# KiCad board open-TWIST_rev0.kicad_pcb (continued)
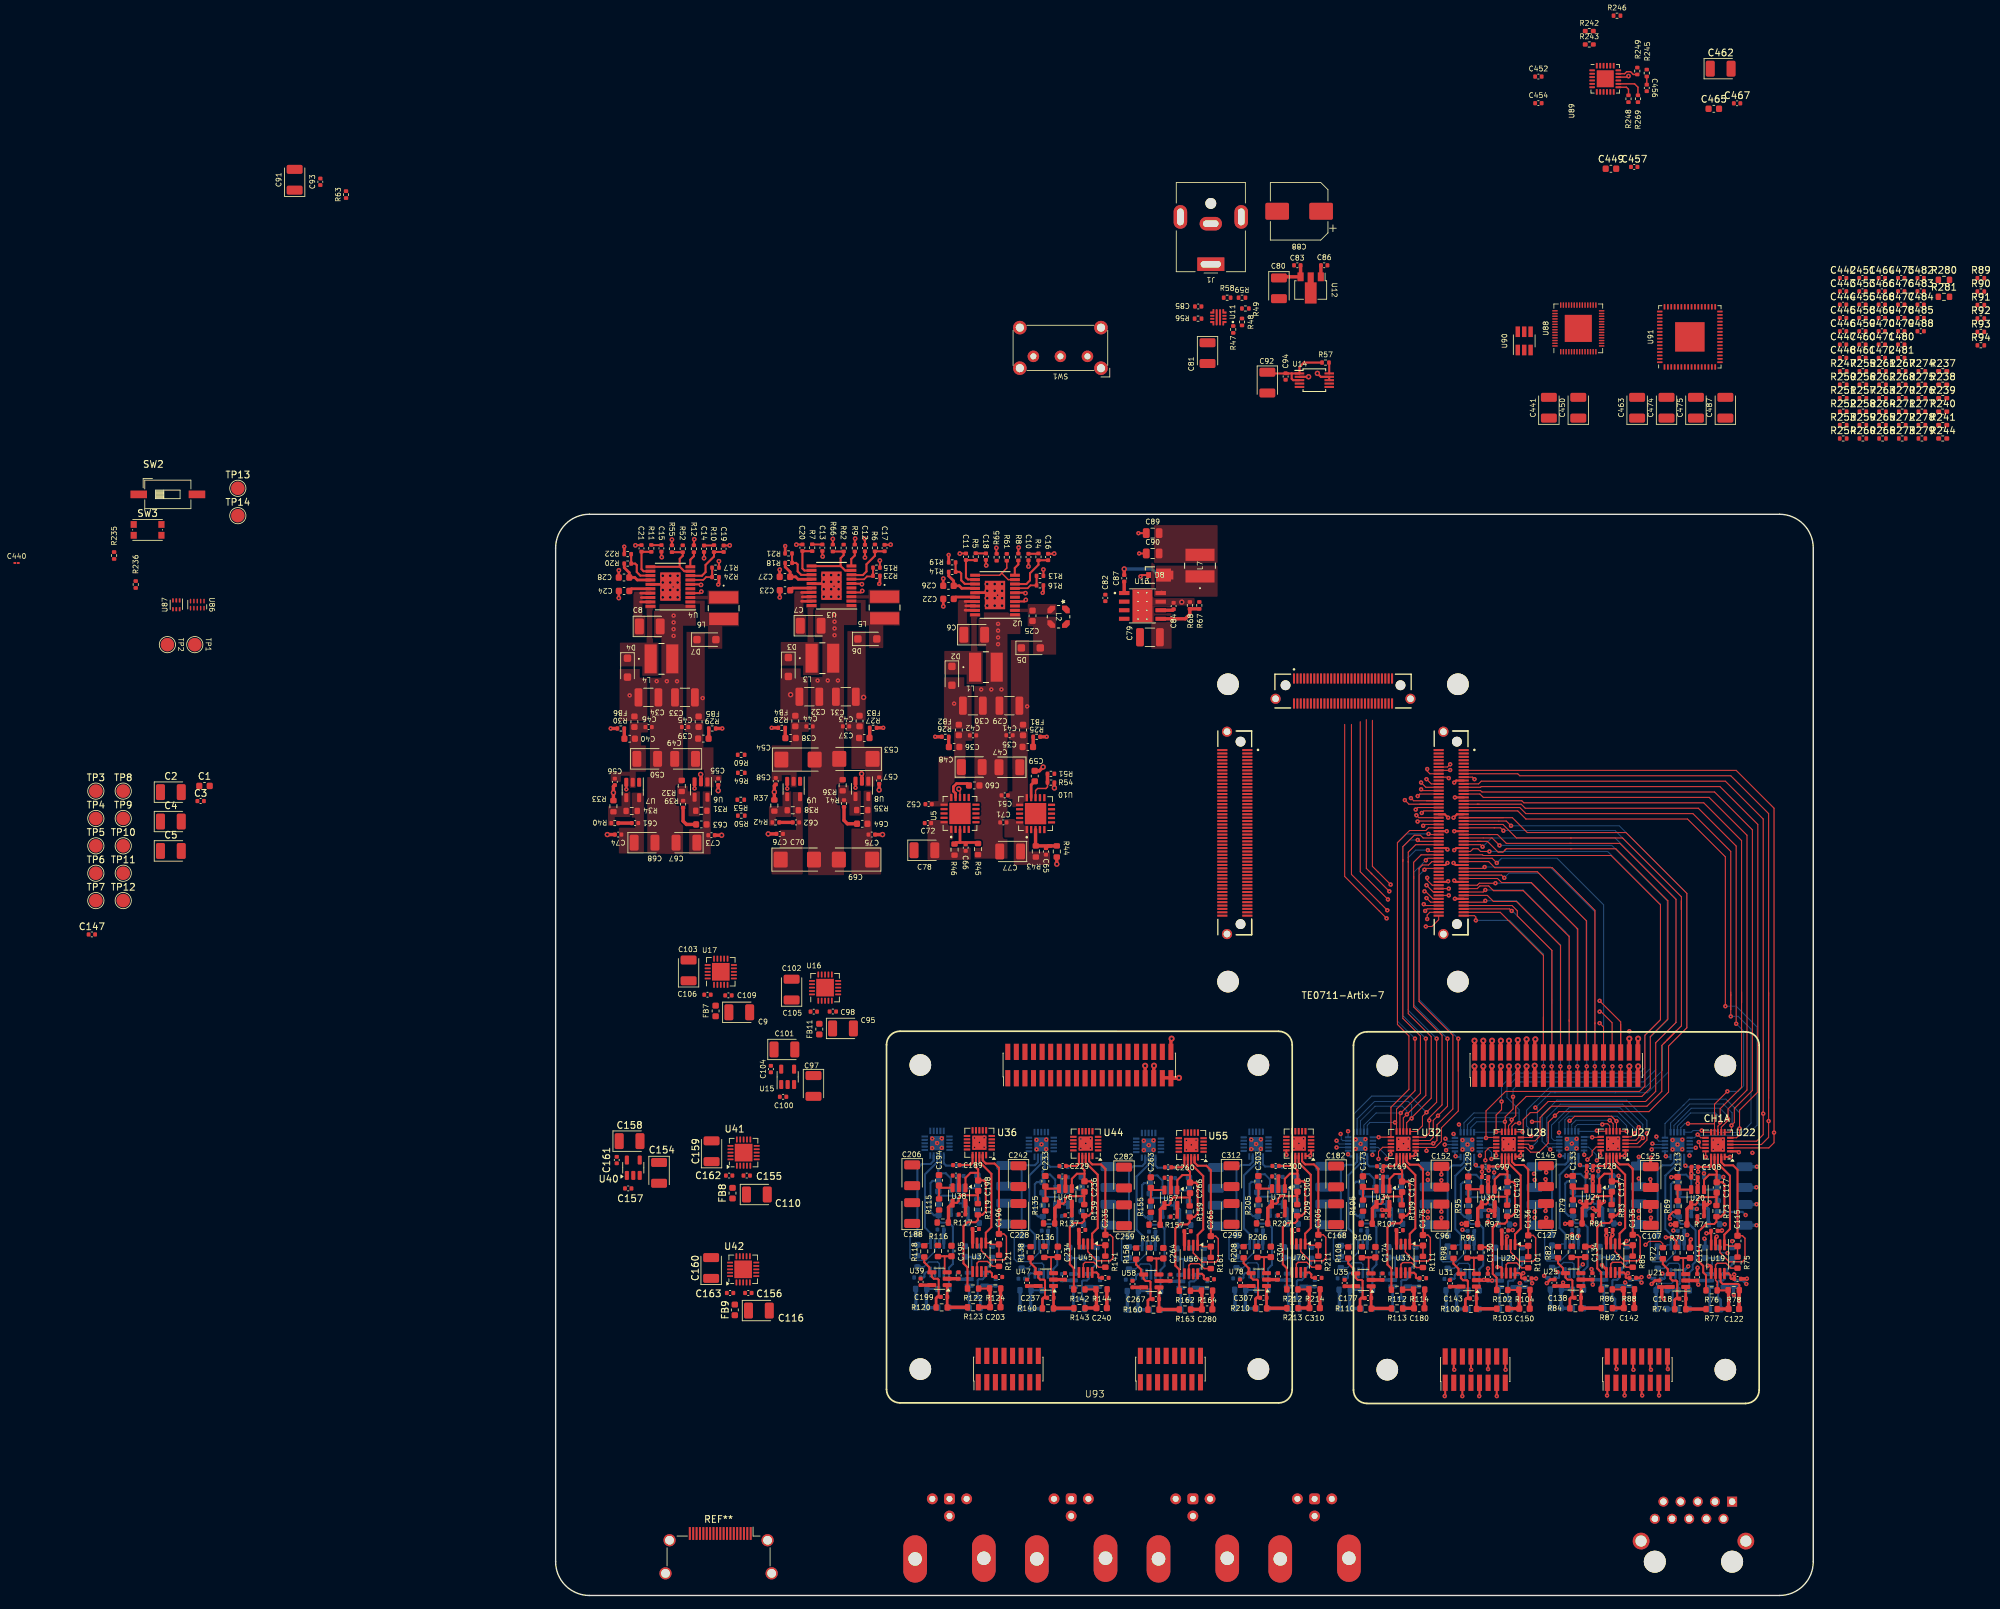
[diagram p0: board, top side]
## Library data of the parts (continued)
U11 = -: Datasheet: https://www.ti.com/lit/ds/symlink/lm7310.pdf?ts=1610624141681&ref_url=https%253A%252F%252Fwww.ti.com%252Fproduct%252FLM7310; Height: 1; Manufacturer_Name: Texas Instruments; Mouser Part Number: 595-LM73100RPWR; Mouser Price/Stock: https://www.mouser.co.uk/ProductDetail/Texas-Instruments/LM73100RPWR?qs=eP2BKZSCXI6N0PCRrD713g%3D%3D
U12 = -: Datasheet: http://www.st.com/content/ccc/resource/technical/document/datasheet/15/55/e5/aa/23/5b/43/fd/CD00000446.pdf/files/CD00000446.pdf/jcr:content/translations/en.CD00000446.pdf; ki_fp_filters: SOT?89*
U13 = -: Description: SIMPLE SWITCHER® 40-V, 5-A, 2.2-MHz step-down converter with 40-μA IQ; Availability: In Stock; Check_prices: https://www.snapeda.com/parts/LMR14050SDDA/Texas+Instruments/view-part/?ref=eda; MF: Texas Instruments; MP: LMR14050SDDA; Package: HSOIC-8 Texas Instruments; Price: None; Purchase-URL: https://www.snapeda.com/api/url_track_click_mouser/?unipart_id=478629&manufacturer=Texas Instruments&part_name=LMR14050SDDA&search_term=lmr14050; SnapEDA_Link: https://www.snapeda.com/parts/LMR14050SDDA/Texas+Instruments/view-part/?ref=snap
U14 = -: Datasheet: https://www.analog.com/media/en/technical-documentation/data-sheets/6902f.pdf; ki_fp_filters: MSOP*3x3mm*P0.5mm*
U87 = -: Datasheet: https://www.st.com/resource/en/datasheet/ecmf02-2amx6.pdf; ki_fp_filters: ST?UQFN*L?1.5x1.7mm*P0.5mm*
U91 = -: Datasheet: https://www.ftdichip.com/Support/Documents/DataSheets/ICs/DS_FT2232H.pdf; ki_fp_filters: QFN*1EP*9x9mm*P0.5mm*

## Footprints (pads in the part's own frame, mm; a bottom-side part is the same pattern mirrored in y, then rotated)
BarrelJack_CUI_PJ-063AH_Horizontal
  round 1.6 hole 1.6 unplated: (0,-9)
  rect 4x2 hole 3x1: 1(0,0)
  oval 3.3x2 hole 2.3x1: 2(0,-6)
  oval 2x3.5 hole 1x2.5: MP(-4.5,-7) MP(4.5,-7)
BEL_SS-641010S-A-NF
  round 3.25 hole 3.25 unplated: (-5.715,0) (5.715,0)
  rect 1.478x1.478 hole 0.97: 1(-5.715,8.89)
  round 1.478 hole 0.97: 2(-4.445,6.35) 3(-3.175,8.89) 4(-1.905,6.35) 5(-0.635,8.89) 6(0.635,6.35) 7(1.905,8.89) 8(3.175,6.35) 9(4.445,8.89) 10(5.715,6.35)
  round 2.475 hole 1.65: S1(-7.745,3.05) S2(7.745,3.05)
BNC_Amphenol_031-6575_Horizontal
  oval 3.5x7 hole 2.01: (-5.08,8.89) (5.08,8.79)
  rrect 1.6x1.6 hole 0.89: 1(0,0)
  round 1.6 hole 0.89: 2(-2.54,0) 3(0,2.54) 4(2.54,0)
C_0402_1005Metric
  rrect 0.56x0.62 smd: 1(-0.48,0) 2(0.48,0)
C_0603_1608Metric
  rrect 0.9x0.95 smd: 1(-0.775,0) 2(0.775,0)
C_0805_2012Metric
  rrect 1x1.45 smd: 1(-0.95,0) 2(0.95,0)
C_01005_0402Metric
  rrect 0.27x0.27 smd: (-0.275,0) (0.275,0)
  rrect 0.4x0.3 smd: 1(-0.25,0) 2(0.25,0)
C_1210_3225Metric
  rrect 1.15x2.7 smd: 1(-1.475,0) 2(1.475,0)
CP_EIA-3528-21_Kemet-B
  rrect 1.325x2.35 smd: 1(-1.538,0) 2(1.538,0)
CP_EIA-6032-28_Kemet-C
  rrect 2.075x2.35 smd: 1(-2.462,0) 2(2.462,0)
CP_Elec_8x10
  rrect 3.5x2.5 smd: 1(-3.25,0) 2(3.25,0)
D_SOD-123F
  rrect 1.1x1.1 smd: 1(-1.4,0) 2(1.4,0)
DAUGHTER_BOARD
  round 3.2 hole 3.2 unplated: (5,50) (5,5) (55,50) (55,5)
  rect 0.74x2.4 smd: 1(17.93,48.045) 2(17.93,51.945) 3(19.2,48.045) 4(19.2,51.945) 5(20.47,48.045) 6(20.47,51.945) 7(21.74,48.045) 8(21.74,51.945) 9(23.01,48.045) 10(23.01,51.945) 11(24.28,48.045) 12(24.28,51.945) 13(25.55,48.045) 14(25.55,51.945) 15(26.82,48.045) 16(26.82,51.945) 17(28.09,48.045) 18(28.09,51.945) 19(29.36,48.045) 20(29.36,51.945) 21(30.63,48.045) 22(30.63,51.945) 23(31.9,48.045) 24(31.9,51.945) 25(33.17,48.045) 26(33.17,51.945) 27(34.44,48.045) 28(34.44,51.945) 29(35.71,48.045) 30(35.71,51.945) 31(36.98,48.045) 32(36.98,51.945) 33(38.25,48.045) 34(38.25,51.945) 35(39.52,48.045) 36(39.52,51.945) 37(40.79,48.045) 38(40.79,51.945) 39(42.06,48.045) 40(42.06,51.945) 41(37.545,3.053) 42(37.545,6.952) 43(38.815,3.053) 44(38.815,6.952) 45(40.085,3.053) 46(40.085,6.952) 47(41.355,3.053) 48(41.355,6.952) 49(42.625,3.053) 50(42.625,6.952) 51(43.895,3.053) 52(43.895,6.952) 53(45.165,3.053) 54(45.165,6.952) 55(46.435,3.053) 56(46.435,6.952) 57(13.563,3.055) 58(13.563,6.955) 59(14.833,3.055) 60(14.833,6.955) 61(16.103,3.055) 62(16.103,6.955) 63(17.373,3.055) 64(17.373,6.955) 65(18.643,3.055) 66(18.643,6.955) 67(19.913,3.055) 68(19.913,6.955) 69(21.183,3.055) 70(21.183,6.955) 71(22.453,3.055) 72(22.453,6.955)
ETSSOP-20-1EP_4.4x6.5mm_P0.65mm_EP3x4.2mm
  rect 1.2x1.14 smd: (-0.75,1.4) (-0.75,0) (-0.75,-1.4) (0.75,1.4) (0.75,0) (0.75,-1.4)
  rect 1.45x0.45 smd: 1(-2.95,2.925) 2(-2.95,2.275) 3(-2.95,1.625) 4(-2.95,0.975) 5(-2.95,0.325) 6(-2.95,-0.325) 7(-2.95,-0.975) 8(-2.95,-1.625) 9(-2.95,-2.275) 10(-2.95,-2.925) 11(2.95,-2.925) 12(2.95,-2.275) 13(2.95,-1.625) 14(2.95,-0.975) 15(2.95,-0.325) 16(2.95,0.325) 17(2.95,0.975) 18(2.95,1.625) 19(2.95,2.275) 20(2.95,2.925)
  rect 3x4.2 smd: 21(0,0)
HDMI_A_Amphenol_10029449-x01xLF_Horizontal
  rect 0.3x1.9 smd: 1(4.75,5) 2(4.25,5) 3(3.75,5) 4(3.25,5) 5(2.75,5) 6(2.25,5) 7(1.75,5) 8(1.25,5) 9(0.75,5) 10(0.25,5) 11(-0.25,5) 12(-0.75,5) 13(-1.25,5) 14(-1.75,5) 15(-2.25,5) 16(-2.75,5) 17(-3.25,5) 18(-3.75,5) 19(-4.25,5)
  round 1.8 hole 1.3: SH(-7.85,-0.9) SH(-7.25,4) SH(7.25,4) SH(7.85,-0.9)
IC_LM73100RPWR
  custom 0.61x0.66 smd: 1(-0.9,0.7) 4(-0.9,-0.7) 7(0.9,-0.7) 10(0.9,0.7)
  rrect 0.6x0.25 smd: 2(-0.9,0.225) 3(-0.9,-0.225) 8(0.9,-0.225) 9(0.9,0.225)
  rrect 0.3x2.4 smd: 5(-0.25,0) 6(0.25,0)
IND_WE-MAPI_4020_WRE
  rect 1.803x4.293 smd: 1(-1.6,0) 2(1.6,0)
L_0603_1608Metric
  rrect 0.875x0.95 smd: 1(-0.787,0) 2(0.787,0)
LFCSP-20-1EP_4x4mm_P0.5mm_EP2.1x2.1mm
  rect 0.86x0.86 smd: (-0.525,0.525) (-0.525,-0.525) (0.525,0.525) (0.525,-0.525)
  rect 0.95x0.3 smd: 1(-1.83,1) 2(-1.83,0.5) 3(-1.83,0) 4(-1.83,-0.5) 5(-1.83,-1) 11(1.83,-1) 12(1.83,-0.5) 13(1.83,0) 14(1.83,0.5) 15(1.83,1)
  rect 0.3x0.95 smd: 6(-1,-1.83) 7(-0.5,-1.83) 8(0,-1.83) 9(0.5,-1.83) 10(1,-1.83) 16(1,1.83) 17(0.5,1.83) 18(0,1.83) 19(-0.5,1.83) 20(-1,1.83)
  rect 2.1x2.1 smd: 21(0,0)
LFCSP-20-1EP_4x4mm_P0.5mm_EP2.6x2.6mm
  rrect 1.05x1.05 smd: (-0.65,0.65) (-0.65,-0.65) (0.65,0.65) (0.65,-0.65)
  rrect 0.875x0.25 smd: 1(-1.938,1) 2(-1.938,0.5) 3(-1.938,0) 4(-1.938,-0.5) 5(-1.938,-1) 11(1.938,-1) 12(1.938,-0.5) 13(1.938,0) 14(1.938,0.5) 15(1.938,1)
  rrect 0.25x0.875 smd: 6(-1,-1.938) 7(-0.5,-1.938) 8(0,-1.938) 9(0.5,-1.938) 10(1,-1.938) 16(1,1.938) 17(0.5,1.938) 18(0,1.938) 19(-0.5,1.938) 20(-1,1.938)
  rect 2.6x2.6 smd: 21(0,0)
LMR14050SDDAQ1
  rrect 1.55x0.6 smd: 1(-2.7,1.905) 2(-2.7,0.635) 3(-2.7,-0.635) 4(-2.7,-1.905) 5(2.7,-1.905) 6(2.7,-0.635) 7(2.7,0.635) 8(2.7,1.905)
  rect 2.95x4.9 smd: 9(0,0)
  round 0.3 hole 0.2: 10(-0.65,1.95) 11(0.65,1.95) 12(-0.65,0.65) 13(0.65,0.65) 14(-0.65,-0.65) 15(0.65,-0.65) 16(-0.65,-1.95) 17(0.65,-1.95)
LPD3015-222
  custom 0.88x1.616 smd rot 135: 1(-1.08,1.08) 3(1.08,-1.06)
  custom 0.88x1.616 smd rot 45: 2(-1.1,-1.08) 4(1.092,1.092)
  rect 0.025x0.025 smd: 4(1.079,1.079)
MSOP-8_3x3mm_P0.65mm
  rrect 1.625x0.4 smd: 1(-2.112,0.975) 2(-2.112,0.325) 3(-2.112,-0.325) 4(-2.112,-0.975) 5(2.112,-0.975) 6(2.112,-0.325) 7(2.112,0.325) 8(2.112,0.975)
MSOP-10_3x3mm_P0.5mm
  rect 1.4x0.3 smd: 1(-2.2,1) 2(-2.2,0.5) 3(-2.2,0) 4(-2.2,-0.5) 5(-2.2,-1) 6(2.2,-1) 7(2.2,-0.5) 8(2.2,0) 9(2.2,0.5) 10(2.2,1)
QFN-56-1EP_7x7mm_P0.4mm_EP4x4mm
  rrect 1.07x1.07 smd: (-1.33,1.33) (-1.33,0) (-1.33,-1.33) (0,1.33) (0,0) (0,-1.33) (1.33,1.33) (1.33,0) (1.33,-1.33)
  rrect 0.8x0.2 smd: 1(-3.45,2.6) 2(-3.45,2.2) 3(-3.45,1.8) 4(-3.45,1.4) 5(-3.45,1) 6(-3.45,0.6) 7(-3.45,0.2) 8(-3.45,-0.2) 9(-3.45,-0.6) 10(-3.45,-1) 11(-3.45,-1.4) 12(-3.45,-1.8) 13(-3.45,-2.2) 14(-3.45,-2.6) 29(3.45,-2.6) 30(3.45,-2.2) 31(3.45,-1.8) 32(3.45,-1.4) 33(3.45,-1) 34(3.45,-0.6) 35(3.45,-0.2) 36(3.45,0.2) 37(3.45,0.6) 38(3.45,1) 39(3.45,1.4) 40(3.45,1.8) 41(3.45,2.2) 42(3.45,2.6)
  rrect 0.2x0.8 smd: 15(-2.6,-3.45) 16(-2.2,-3.45) 17(-1.8,-3.45) 18(-1.4,-3.45) 19(-1,-3.45) 20(-0.6,-3.45) 21(-0.2,-3.45) 22(0.2,-3.45) 23(0.6,-3.45) 24(1,-3.45) 25(1.4,-3.45) 26(1.8,-3.45) 27(2.2,-3.45) 28(2.6,-3.45) 43(2.6,3.45) 44(2.2,3.45) 45(1.8,3.45) 46(1.4,3.45) 47(1,3.45) 48(0.6,3.45) 49(0.2,3.45) 50(-0.2,3.45) 51(-0.6,3.45) 52(-1,3.45) 53(-1.4,3.45) 54(-1.8,3.45) 55(-2.2,3.45) 56(-2.6,3.45)
  rect 4x4 smd: 57(0,0)
QFN-64-1EP_9x9mm_P0.5mm_EP4.35x4.35mm
  rrect 1.17x1.17 smd: (-1.45,1.45) (-1.45,0) (-1.45,-1.45) (0,1.45) (0,0) (0,-1.45) (1.45,1.45) (1.45,0) (1.45,-1.45)
  rrect 0.8x0.25 smd: 1(-4.45,3.75) 2(-4.45,3.25) 3(-4.45,2.75) 4(-4.45,2.25) 5(-4.45,1.75) 6(-4.45,1.25) 7(-4.45,0.75) 8(-4.45,0.25) 9(-4.45,-0.25) 10(-4.45,-0.75) 11(-4.45,-1.25) 12(-4.45,-1.75) 13(-4.45,-2.25) 14(-4.45,-2.75) 15(-4.45,-3.25) 16(-4.45,-3.75) 33(4.45,-3.75) 34(4.45,-3.25) 35(4.45,-2.75) 36(4.45,-2.25) 37(4.45,-1.75) 38(4.45,-1.25) 39(4.45,-0.75) 40(4.45,-0.25) 41(4.45,0.25) 42(4.45,0.75) 43(4.45,1.25) 44(4.45,1.75) 45(4.45,2.25) 46(4.45,2.75) 47(4.45,3.25) 48(4.45,3.75)
  rrect 0.25x0.8 smd: 17(-3.75,-4.45) 18(-3.25,-4.45) 19(-2.75,-4.45) 20(-2.25,-4.45) 21(-1.75,-4.45) 22(-1.25,-4.45) 23(-0.75,-4.45) 24(-0.25,-4.45) 25(0.25,-4.45) 26(0.75,-4.45) 27(1.25,-4.45) 28(1.75,-4.45) 29(2.25,-4.45) 30(2.75,-4.45) 31(3.25,-4.45) 32(3.75,-4.45) 49(3.75,4.45) 50(3.25,4.45) 51(2.75,4.45) 52(2.25,4.45) 53(1.75,4.45) 54(1.25,4.45) 55(0.75,4.45) 56(0.25,4.45) 57(-0.25,4.45) 58(-0.75,4.45) 59(-1.25,4.45) 60(-1.75,4.45) 61(-2.25,4.45) 62(-2.75,4.45) 63(-3.25,4.45) 64(-3.75,4.45)
  rect 4.35x4.35 smd: 65(0,0)
R_0402_1005Metric
  rrect 0.54x0.64 smd: 1(-0.51,0) 2(0.51,0)
R_0402_1005Metric_Pad0.72x0.64mm_HandSolder
  rrect 0.715x0.64 smd: 1(-0.598,0) 2(0.598,0)
R_0603_1608Metric
  rrect 0.8x0.95 smd: 1(-0.825,0) 2(0.825,0)
SOT-23-5
  rrect 1.325x0.6 smd: 1(-1.137,0.95) 2(-1.137,0) 3(-1.137,-0.95) 4(1.137,-0.95) 5(1.137,0.95)
SOT-23-6_Handsoldering
  rect 1.56x0.65 smd: 1(-1.35,0.95) 2(-1.35,0) 3(-1.35,-0.95) 4(1.35,-0.95) 5(1.35,0) 6(1.35,0.95)
SOT-89-3
  rect 1.3x0.9 smd: 1(-1.95,1.5) 3(-1.95,-1.5)
  custom 4.6x1.733 smd: 2(-1.863,0)
SQFN-24
  rrect 1.05x1.05 smd: (0.15,5.75) (0.15,4.45) (1.45,5.75) (1.45,4.45)
  rrect 0.825x0.28 smd: 1(-1.137,6.35) 2(-1.137,5.85) 3(-1.137,5.35) 4(-1.137,4.85) 5(-1.137,4.35) 6(-1.137,3.85) 13(2.737,3.85) 14(2.737,4.35) 15(2.737,4.85) 16(2.737,5.35) 17(2.737,5.85) 18(2.737,6.35)
  rrect 0.28x0.825 smd: 7(-0.45,3.163) 8(0.05,3.163) 9(0.55,3.163) 10(1.05,3.163) 11(1.55,3.163) 12(2.05,3.163) 19(2.05,7.037) 20(1.55,7.037) 21(1.05,7.037) 22(0.55,7.037) 23(0.05,7.037) 24(-0.45,7.037)
  rect 2.5x2.5 smd: 25(0.8,5.1)
ST_UQFN-6L_1.5x1.7mm_P0.5mm
  rect 0.6x0.25 smd: 1(-0.65,0.5) 2(-0.65,0) 3(-0.65,-0.5) 4(0.65,-0.5) 5(0.65,0) 6(0.65,0.5)
SW_DIP_SPSTx01_Slide_6.7x4.1mm_W8.61mm_P2.54mm_LowProfile
  rect 2.44x1.12 smd: 1(-4.305,0) 2(4.305,0)
SW_E-Switch_EG1224_SPDT_Angled
  round 2 hole 1.2: (-2,1.75) (-2,-4.25) (10,1.75) (10,-4.25)
  round 1.7 hole 0.9: 1(0,0) 2(4,0) 3(8,0)
SW_Push_1P1T_NO_CK_KMR2
  rect 0.9x1 smd: 1(-2.05,0.8) 1(2.05,0.8) 2(-2.05,-0.8) 2(2.05,-0.8)
TE0711-Artix-7
  round 3.2 hole 3.2 unplated: (-1.12,36.58) (-1.12,-7.42) (32.88,36.58) (32.88,-7.42)
  round 1.45 hole 1.45 unplated: (0.73,28.085) (0.73,1.085) (7.385,36.43) (24.385,36.43) (32.73,28.085) (32.73,1.085)
  rect 1.5x0.3 smd: 1(1.73,26.835) 2(-1.97,26.835) 3(1.73,26.335) 4(-1.97,26.335) 5(1.73,25.835) 6(-1.97,25.835) 7(1.73,25.335) 8(-1.97,25.335) 9(1.73,24.835) 10(-1.97,24.835) 11(1.73,24.335) 12(-1.97,24.335) 13(1.73,23.835) 14(-1.97,23.835) 15(1.73,23.335) 16(-1.97,23.335) 17(1.73,22.835) 18(-1.97,22.835) 19(1.73,22.335) 20(-1.97,22.335) 21(1.73,21.835) 22(-1.97,21.835) 23(1.73,21.335) 24(-1.97,21.335) 25(1.73,20.835) 26(-1.97,20.835) 27(1.73,20.335) 28(-1.97,20.335) 29(1.73,19.835) 30(-1.97,19.835) 31(1.73,19.335) 32(-1.97,19.335) 33(1.73,18.835) 34(-1.97,18.835) 35(1.73,18.335) 36(-1.97,18.335) 37(1.73,17.835) 38(-1.97,17.835) 39(1.73,17.335) 40(-1.97,17.335) 41(1.73,16.835) 42(-1.97,16.835) 43(1.73,16.335) 44(-1.97,16.335) 45(1.73,15.835) 46(-1.97,15.835) 47(1.73,15.335) 48(-1.97,15.335) 49(1.73,14.835) 50(-1.97,14.835) 51(1.73,14.335) 52(-1.97,14.335) 53(1.73,13.835) 54(-1.97,13.835) 55(1.73,13.335) 56(-1.97,13.335) 57(1.73,12.835) 58(-1.97,12.835) 59(1.73,12.335) 60(-1.97,12.335) 61(1.73,11.835) 62(-1.97,11.835) 63(1.73,11.335) 64(-1.97,11.335) 65(1.73,10.835) 66(-1.97,10.835) 67(1.73,10.335) 68(-1.97,10.335) 69(1.73,9.835) 70(-1.97,9.835) 71(1.73,9.335) 72(-1.97,9.335) 73(1.73,8.835) 74(-1.97,8.835) 75(1.73,8.335) 76(-1.97,8.335) 77(1.73,7.835) 78(-1.97,7.835) 79(1.73,7.335) 80(-1.97,7.335) 81(1.73,6.835) 82(-1.97,6.835) 83(1.73,6.335) 84(-1.97,6.335) 85(1.73,5.835) 86(-1.97,5.835) 87(1.73,5.335) 88(-1.97,5.335) 89(1.73,4.835) 90(-1.97,4.835) 91(1.73,4.335) 92(-1.97,4.335) 93(1.73,3.835) 94(-1.97,3.835) 95(1.73,3.335) 96(-1.97,3.335) 97(1.73,2.835) 98(-1.97,2.835) 99(1.73,2.335) 100(-1.97,2.335) 101(33.73,26.835) 102(30.03,26.835) 103(33.73,26.335) 104(30.03,26.335) 105(33.73,25.835) 106(30.03,25.835) 107(33.73,25.335) 108(30.03,25.335) 109(33.73,24.835) 110(30.03,24.835) 111(33.73,24.335) 112(30.03,24.335) 113(33.73,23.835) 114(30.03,23.835) 115(33.73,23.335) 116(30.03,23.335) 117(33.73,22.835) 118(30.03,22.835) 119(33.73,22.335) 120(30.03,22.335) 121(33.73,21.835) 122(30.03,21.835) 123(33.73,21.335) 124(30.03,21.335) 125(33.73,20.835) 126(30.03,20.835) 127(33.73,20.335) 128(30.03,20.335) 129(33.73,19.835) 130(30.03,19.835) 131(33.73,19.335) 132(30.03,19.335) 133(33.73,18.835) 134(30.03,18.835) 135(33.73,18.335) 136(30.03,18.335) 137(33.73,17.835) 138(30.03,17.835) 139(33.73,17.335) 140(30.03,17.335) 141(33.73,16.835) 142(30.03,16.835) 143(33.73,16.335) 144(30.03,16.335) 145(33.73,15.835) 146(30.03,15.835) 147(33.73,15.335) 148(30.03,15.335) 149(33.73,14.835) 150(30.03,14.835) 151(33.73,14.335) 152(30.03,14.335) 153(33.73,13.835) 154(30.03,13.835) 155(33.73,13.335) 156(30.03,13.335) 157(33.73,12.835) 158(30.03,12.835) 159(33.73,12.335) 160(30.03,12.335) 161(33.73,11.835) 162(30.03,11.835) 163(33.73,11.335) 164(30.03,11.335) 165(33.73,10.835) 166(30.03,10.835) 167(33.73,10.335) 168(30.03,10.335) 169(33.73,9.835) 170(30.03,9.835) 171(33.73,9.335) 172(30.03,9.335) 173(33.73,8.835) 174(30.03,8.835) 175(33.73,8.335) 176(30.03,8.335) 177(33.73,7.835) 178(30.03,7.835) 179(33.73,7.335) 180(30.03,7.335) 181(33.73,6.835) 182(30.03,6.835) 183(33.73,6.335) 184(30.03,6.335) 185(33.73,5.835) 186(30.03,5.835) 187(33.73,5.335) 188(30.03,5.335) 189(33.73,4.835) 190(30.03,4.835) 191(33.73,4.335) 192(30.03,4.335) 193(33.73,3.835) 194(30.03,3.835) 195(33.73,3.335) 196(30.03,3.335) 197(33.73,2.835) 198(30.03,2.835) 199(33.73,2.335) 200(30.03,2.335)
  rect 0.3x1.5 smd: 201(8.635,37.43) 202(8.635,33.73) 203(9.135,37.43) 204(9.135,33.73) 205(9.635,37.43) 206(9.635,33.73) 207(10.135,37.43) 208(10.135,33.73) 209(10.635,37.43) 210(10.635,33.73) 211(11.135,37.43) 212(11.135,33.73) 213(11.635,37.43) 214(11.635,33.73) 215(12.135,37.43) 216(12.135,33.73) 217(12.635,37.43) 218(12.635,33.73) 219(13.135,37.43) 220(13.135,33.73) 221(13.635,37.43) 222(13.635,33.73) 223(14.135,37.43) 224(14.135,33.73) 225(14.635,37.43) 226(14.635,33.73) 227(15.135,37.43) 228(15.135,33.73) 229(15.635,37.43) 230(15.635,33.73) 231(16.135,37.43) 232(16.135,33.73) 233(16.635,37.43) 234(16.635,33.73) 235(17.135,37.43) 236(17.135,33.73) 237(17.635,37.43) 238(17.635,33.73) 239(18.135,37.43) 240(18.135,33.73) 241(18.635,37.43) 242(18.635,33.73) 243(19.135,37.43) 244(19.135,33.73) 245(19.635,37.43) 246(19.635,33.73) 247(20.135,37.43) 248(20.135,33.73) 249(20.635,37.43) 250(20.635,33.73) 251(21.135,37.43) 252(21.135,33.73) 253(21.635,37.43) 254(21.635,33.73) 255(22.135,37.43) 256(22.135,33.73) 257(22.635,37.43) 258(22.635,33.73) 259(23.135,37.43) 260(23.135,33.73)
  round 1.5 hole 1: S1(-1.27,-0.39) S2(-1.27,29.56) S3(30.73,-0.39) S4(30.73,29.56) S5(25.86,34.43) S6(5.91,34.43)
TestPoint_Pad_D2.0mm
  round 2 smd: 1(0,0)
TPS7A3301RGWR
  rrect 1.05x0.34 smd: 1(-2.36,1.3) 2(-2.36,0.65) 3(-2.36,0) 4(-2.36,-0.65) 5(-2.36,-1.3) 11(2.36,-1.3) 12(2.36,-0.65) 13(2.36,0) 14(2.36,0.65) 15(2.36,1.3)
  rrect 0.34x1.05 smd: 6(-1.3,-2.36) 7(-0.65,-2.36) 8(0,-2.36) 9(0.65,-2.36) 10(1.3,-2.36) 16(1.3,2.36) 17(0.65,2.36) 18(0,2.36) 19(-0.65,2.36) 20(-1.3,2.36)
  rect 3.15x3.15 smd: 21(0,0)
TPS7A4701RGWR
  rrect 1.05x0.34 smd: 1(-2.36,1.3) 2(-2.36,0.65) 3(-2.36,0) 4(-2.36,-0.65) 5(-2.36,-1.3) 11(2.36,-1.3) 12(2.36,-0.65) 13(2.36,0) 14(2.36,0.65) 15(2.36,1.3)
  rrect 0.34x1.05 smd: 6(-1.3,-2.36) 7(-0.65,-2.36) 8(0,-2.36) 9(0.65,-2.36) 10(1.3,-2.36) 16(1.3,2.36) 17(0.65,2.36) 18(0,2.36) 19(-0.65,2.36) 20(-1.3,2.36)
  rect 3.15x3.15 smd: 21(0,0)
TSOT-23-5
  rrect 1.325x0.6 smd: 1(-1.137,0.95) 2(-1.137,0) 3(-1.137,-0.95) 4(1.137,-0.95) 5(1.137,0.95)
UDFN-10_1.35x2.6mm_P0.5mm
  oval 0.7x0.2 smd: 1(-0.525,1) 2(-0.525,0.5) 3(-0.525,0) 4(-0.525,-0.5) 5(-0.525,-1) 6(0.525,-1) 7(0.525,-0.5) 8(0.525,0) 9(0.525,0.5) 10(0.525,1)
V5NM63
  rect 0.711x0.864 smd: 1(-1.625,0)
  custom 2.55x1.93 smd: 2(0.62,-0.05)
  rect 0.127x0.127 smd: 2(0.756,0)

## Nets
+3V3: C89.2 C90.2 C462.1 C465.2 C467.2 C471.1 C479.2 C481.2 C483.2 C485.2 C487.1 C488.2 FB7.1 FB8.1 FB9.1 FB11.1 L7.2 R63.1 R67.2 R89.1 R90.2 R91.2 R94.1 R237.1 R238.1 R239.1 R240.1 R241.1 R244.1 R245.2 R249.2 R270.2 R272.2 R275.1 R276.1 R278.1 R279.2 R280.1 R281.1 TP13.1 U18.38 U26.2 U26.4 U26.6 U26.10 U26.12 U26.14 U26.16 U26.101 U26.102 U26.103 U26.104 U26.105 U26.107 U26.108 U26.109 U26.110 U26.111 U89.1 U89.9 U89.18 U90.6 U91.20 U91.31 U91.42 U91.50 U91.56 U93.38
+5V: C86.1 C92.1 C94.1 R57.1 TP14.1 U12.1 U14.1 U14.3
+5VA: C2.1 C3.2 C65.2 C71.1 C77.1 C96.1 C99.2 C101.1 C102.1 C103.1 C104.2 C105.2 C106.2 C107.1 C108.2 C112.2 C121.2 C123.2 C124.2 C127.1 C128.2 C132.2 C141.2 C144.2 C149.2 C151.2 C158.1 C159.1 C160.1 C161.2 C162.2 C163.2 C164.1 C165.2 C167.2 C168.1 C169.2 C172.2 C179.2 C181.2 C188.1 C189.2 C191.2 C193.2 C201.2 C202.2 C205.2 C209.1 C210.2 C212.2 C219.2 C221.2 C224.1 C225.2 C227.2 C228.1 C229.2 C232.2 C239.2 C241.2 C249.2 C251.2 C254.1 C255.2 C257.2 C259.1 C260.2 C262.2 C272.2 C275.2 C277.2 C281.2 C284.1 C285.2 C287.2 C294.2 C296.2 C299.1 C300.2 C302.2 C309.2 C311.2 C314.1 C315.2 C317.2 C324.2 C326.2 C329.1 C330.2 C332.2 C339.2 C341.2 C344.1 C345.2 C347.2 C354.2 C356.2 R43.2 TP7.1 U10.1 U10.20 U15.5 U16.1 U17.1 U18.3 U19.8 U20.5 U21.5 U22.16 U23.8 U24.5 U25.5 U27.16 U28.16 U29.8 U30.5 U31.5 U32.16 U33.8 U34.5 U35.5 U36.16 U37.8 U38.5 U39.5 U40.5 U41.1 U42.1 U43.16 U44.16 U45.8 U46.5 U47.5 U48.8 U49.5 U50.5 U51.16 U52.8 U53.5 U54.5 U55.16 U56.8 U57.5 U58.5 U59.16 U60.8 U61.5 U62.5 U63.16 U64.8 U65.5 U66.5 U67.16 U68.8 U69.5 U70.5 U71.16 U72.8 U73.5 U74.5 U75.16 U76.8 U77.5 U78.5 U79.16 U80.8 U81.5 U82.5 U83.16 U84.8 U85.5 U92.5 U93.3
-5VA: C66.1 C72.1 C78.2 C97.2 C100.2 C111.2 C119.2 C120.2 C125.2 C126.2 C131.2 C139.2 C145.2 C146.2 C148.2 C152.2 C153.2 C154.2 C157.2 C166.2 C171.2 C178.2 C182.2 C183.2 C190.2 C192.2 C200.2 C204.2 C206.2 C207.2 C208.2 C211.2 C218.2 C222.2 C223.2 C226.2 C231.2 C238.2 C242.2 C243.2 C248.2 C252.2 C253.2 C256.2 C261.2 C269.2 C274.2 C278.2 C279.2 C282.2 C283.2 C286.2 C293.2 C297.2 C298.2 C301.2 C308.2 C312.2 C313.2 C316.2 C323.2 C327.2 C328.2 C331.2 C338.2 C342.2 C343.2 C346.2 C353.2 C357.2 C358.2 R46.1 TP8.1 U5.1 U5.20 U15.2 U18.4 U19.4 U20.2 U21.2 U23.4 U24.2 U25.2 U29.4 U30.2 U31.2 U33.4 U34.2 U35.2 U37.4 U38.2 U39.2 U40.2 U45.4 U46.2 U47.2 U48.4 U49.2 U50.2 U52.4 U53.2 U54.2 U56.4 U57.2 U58.2 U60.4 U61.2 U62.2 U64.4 U65.2 U66.2 U68.4 U69.2 U70.2 U72.4 U73.2 U74.2 U76.4 U77.2 U78.2 U80.4 U81.2 U82.2 U84.4 U85.2 U92.2 U93.4
/1V2_REF: C4.1 U15.3 U40.3
/DAC_STIM_A/1V2_buff: R72.1 R82.1 R98.1 R108.1 R118.1 R138.1 R158.1 R208.1 U15.1 U15.4 U16.15 U17.15
/DAC_STIM_B/1V2_buff: R128.1 R148.1 R168.1 R178.1 R188.1 R198.1 R218.1 R228.1 U40.1 U40.4 U41.15 U42.15
GND: C1.2 C2.2 C3.1 C5.2 C6.2 C7.2 C8.2 C9.2 C10.1 C11.1 C12.1 C13.1 C14.1 C15.1 C16.1 C17.1 C18.1 C19.1 C20.1 C21.1 C22.1 C23.1 C24.1 C26.2 C27.2 C28.2 C29.1 C30.2 C31.1 C32.2 C33.1 C34.2 C41.1 C42.2 C43.1 C44.2 C45.1 C46.2 C47.2 C48.2 C49.2 C50.2 C51.1 C52.2 C53.2 C54.2 C55.1 C56.2 C57.1 C58.2 C59.2 C60.1 C67.2 C68.2 C69.2 C70.2 C71.2 C72.2 C73.1 C74.2 C75.1 C76.2 C77.2 C78.1 C79.1 C80.2 C81.2 C82.2 C83.2 C84.2 C85.2 C86.2 C88.2 C89.1 C90.1 C91.2 C92.2 C93.2 C94.2 C95.2 C96.2 C97.1 C98.1 C99.1 C100.1 C101.2 C102.2 C103.2 C104.1 C105.1 C106.1 C107.2 C108.1 C109.1 C110.2 C111.1 C112.1 C113.1 C114.1 C116.2 C119.1 C120.1 C121.1 C123.1 C124.1 C125.1 C126.1 C127.2 C128.1 C129.1 C130.1 C131.1 C132.1 C133.1 C134.1 C139.1 C141.1 C144.1 C145.1 C146.1 C147.2 C148.1 C149.1 C151.1 C152.1 C153.1 C154.1 C155.1 C156.1 C157.1 C158.2 C159.2 C160.2 C161.1 C162.1 C163.1 C164.2 C165.1 C166.1 C167.1 C168.2 C169.1 C170.1 C171.1 C172.1 C173.1 C174.1 C178.1 C179.1 C181.1 C182.1 C183.1 C184.1 C188.2 C189.1 C190.1 C191.1 C192.1 C193.1 C194.1 C195.1 C200.1 C201.1 C202.1 C204.1 C205.1 C206.1 C207.1 C208.1 C209.2 C210.1 C211.1 C212.1 C213.1 C214.1 C218.1 C219.1 C221.1 C222.1 C223.1 C224.2 C225.1 C226.1 C227.1 C228.2 C229.1 C230.1 C231.1 C232.1 C233.1 C234.1 C238.1 C239.1 C241.1 C242.1 C243.1 C244.1 C248.1 C249.1 C251.1 C252.1 C253.1 C254.2 C255.1 C256.1 C257.1 C258.1 C259.2 C260.1 C261.1 C262.1 C263.1 C264.1 C268.1 C269.1 C272.1 C274.1 C275.1 C277.1 C278.1 C279.1 C281.1 C282.1 C283.1 C284.2 C285.1 C286.1 C287.1 C288.1 C289.1 C293.1 C294.1 C296.1 C297.1 C298.1 C299.2 C300.1 C301.1 C302.1 C303.1 C304.1 C308.1 C309.1 C311.1 C312.1 C313.1 C314.2 C315.1 C316.1 C317.1 C318.1 C319.1 C323.1 C324.1 C326.1 C327.1 C328.1 C329.2 C330.1 C331.1 C332.1 C333.1 C334.1 C338.1 C339.1 C341.1 C342.1 C343.1 C344.2 C345.1 C346.1 C347.1 C348.1 C349.1 C353.1 C354.1 C356.1 C357.1 C358.1 C440.1 C441.2 C442.1 C444.1 C446.1 C447.1 C448.1 C449.1 C450.2 C451.1 C452.1 C453.1 C454.1 C455.1 C456.2 C457.1 C458.1 C459.1 C460.1 C461.1 C462.2 C463.2 C464.1 C465.1 C466.1 C467.1 C468.1 C469.1 C470.1 C471.2 C472.1 C473.1 C474.2 C475.2 C476.1 C477.1 C478.1 C479.1 C480.1 C481.1 C482.1 C483.1 C484.1 C485.1 C487.2 C488.1 D8.1 J1.2 J3.1 J3.10 J3.S1 J3.S2 L1.2 L2.4 L3.2 L4.2 R8.1 R9.1 R12.1 R13.1 R15.2 R17.2 R25.1 R26.2 R27.1 R28.2 R29.1 R30.2 R32.2 R33.1 R36.2 R37.1 R44.1 R45.2 R49.2 R53.1 R54.1 R55.1 R56.2 R59.2 R64.1 R65.1 R66.1 R68.1 R71.1 R81.1 R92.2 R97.1 R107.1 R117.1 R127.1 R137.1 R147.1 R157.1 R167.1 R177.1 R187.1 R197.1 R207.1 R217.1 R227.1 R235.1 R236.1 R243.1 R246.1 R247.1 R248.2 R269.2 R271.2 R273.2 R274.2 SW2.1 SW3.1 U2.1 U2.6 U2.15 U2.21 U3.1 U3.6 U3.15 U3.21 U4.1 U4.6 U4.15 U4.21 U5.7 U5.21 U6.2 U7.1 U8.2 U9.1 U10.7 U10.21 U11.8 U12.2 U13.7 U13.9 U13.10 U13.11 U13.12 U13.13 U13.14 U13.15 U13.16 U13.17 U14.2 U14.8 U14.9 U16.11 U16.12 U16.21 U17.11 U17.12 U17.21 U18.1 U18.2 U18.5 U18.6 U18.9 U18.10 U18.13 U18.14 U18.15 U18.16 U18.37 U18.39 U18.40 U18.41 U18.44 U18.45 U18.48 U18.49 U18.52 U18.53 U18.56 U18.57 U18.60 U18.61 U18.64 U18.65 U18.68 U18.69 U18.72 U19.3 U19.5 U22.1 U22.15 U22.20 U22.21 U23.3 U23.5 U26.1 U26.7 U26.19 U26.25 U26.30 U26.33 U26.43 U26.53 U26.54 U26.63 U26.64 U26.73 U26.74 U26.83 U26.89 U26.119 U26.129 U26.139 U26.140 U26.149 U26.150 U26.159 U26.160 U26.169 U26.170 U26.179 U26.180 U26.189 U26.S1 U26.S2 U26.S5 U26.S6 U27.1 U27.15 U27.20 U27.21 U28.1 U28.15 U28.20 U28.21 U29.3 U29.5 U32.1 U32.15 U32.20 U32.21 U33.3 U33.5 U36.1 U36.15 U36.20 U36.21 U37.3 U37.5 U41.11 U41.12 U41.21 U42.11 U42.12 U42.21 U43.1 U43.15 U43.20 U43.21 U44.1 U44.15 U44.20 U44.21 U45.3 U45.5 U48.3 U48.5 U51.1 U51.15 U51.20 U51.21 U52.3 U52.5 U55.1 U55.15 U55.20 U55.21 U56.3 U56.5 U59.1 U59.15 U59.20 U59.21 U60.3 U60.5 U63.1 U63.15 U63.20 U63.21 U64.3 U64.5 U67.1 U67.15 U67.20 U67.21 U68.3 U68.5 U71.1 U71.15 U71.20 U71.21 U72.3 U72.5 U75.1 U75.15 U75.20 U75.21 U76.3 U76.5 U79.1 U79.15 U79.20 U79.21 U80.3 U80.5 U83.1 U83.15 U83.20 U83.21 U84.3 U84.5 U86.3 U86.8 U87.3 U88.32 U88.49 U88.51 U88.57 U89.25 U90.2 U91.1 U91.5 U91.10 U91.11 U91.13 U91.15 U91.25 U91.35 U91.47 U91.51 U91.65 U93.1 U93.2 U93.5 U93.6 U93.9 U93.10 U93.13 U93.14 U93.15 U93.16 U93.37 U93.39 U93.40 U93.41 U93.44 U93.45 U93.48 U93.49 U93.52 U93.53 U93.56 U93.57 U93.60 U93.61 U93.64 U93.65 U93.68 U93.69 U93.72
VBUS: C440.2 R242.2 U88.29
Vin: C6.1 C7.1 C8.1 C79.2 C80.1 C82.1 C83.1 C88.1 C91.1 C93.1 L2.1 R58.1 U2.17 U2.18 U2.19 U3.17 U3.18 U3.19 U4.17 U4.18 U4.19 U11.6 U12.3 U13.2 U13.3
+VANH: C64.1 C69.1 C75.2 R35.1 TP11.1 U8.5 U18.11 U93.11
+VANL: C63.1 C67.1 C73.2 R31.1 TP9.1 U6.5 U18.7 U93.7
-VANH: C62.2 C70.1 C76.1 R38.2 TP10.1 TP12.1 U9.5 U18.12 U93.12
-VANL: C61.2 C68.1 C74.1 R34.2 U7.5 U18.8 U93.8
/DAC_OUT_A1: C203.2 R124.2 U37.7
/DAC_OUT_A2: C240.2 R144.2 U45.7
/DAC_OUT_A3: C280.2 R164.2 U56.7
/DAC_OUT_A4: C310.2 R214.2 U76.7
/DAC_OUT_A5: C180.2 R114.2 U33.7
/DAC_OUT_A6: C150.2 R104.2 U29.7
/DAC_OUT_A7: C142.2 R88.2 U23.7
/DAC_OUT_B1: C197.2 R134.2 U48.7
/DAC_OUT_B2: C220.2 R154.2 U52.7
/DAC_OUT_B3: C340.2 R224.2 U80.7
/DAC_OUT_B4: C325.2 R204.2 U72.7
/DAC_OUT_B5: C355.2 R234.2 U84.7
/DAC_OUT_B6: C250.2 R174.2 U60.7
/DAC_OUT_B7: C295.2 R194.2 U68.7
/DAC_STIM_A/CS: U22.14 U26.188 U27.14 U28.14 U32.14 U36.14 U44.14 U55.14 U75.14
/DAC_STIM_A/oDAC_SDOI: U16.13 U17.5
/DAC_STIM_A/OUT8: C122.2 R78.2 U19.7
/DAC_STIM_A/stim_channel1/Voff_DAC_scaled: C199.2 R120.2 R123.2 U39.1
/DAC_STIM_A/stim_channel1/Vref_DAC_scaled: C198.2 R119.2 R122.2 U36.17 U38.1
/DAC_STIM_A/stim_channel2/Voff_DAC_scaled: C237.2 R140.2 R143.2 U47.1